# Allegro board RK3576_Template_LP5D315P132SD8_25x36_2400MHz_H1R0_V11_20240530YWQ.brd (continued)
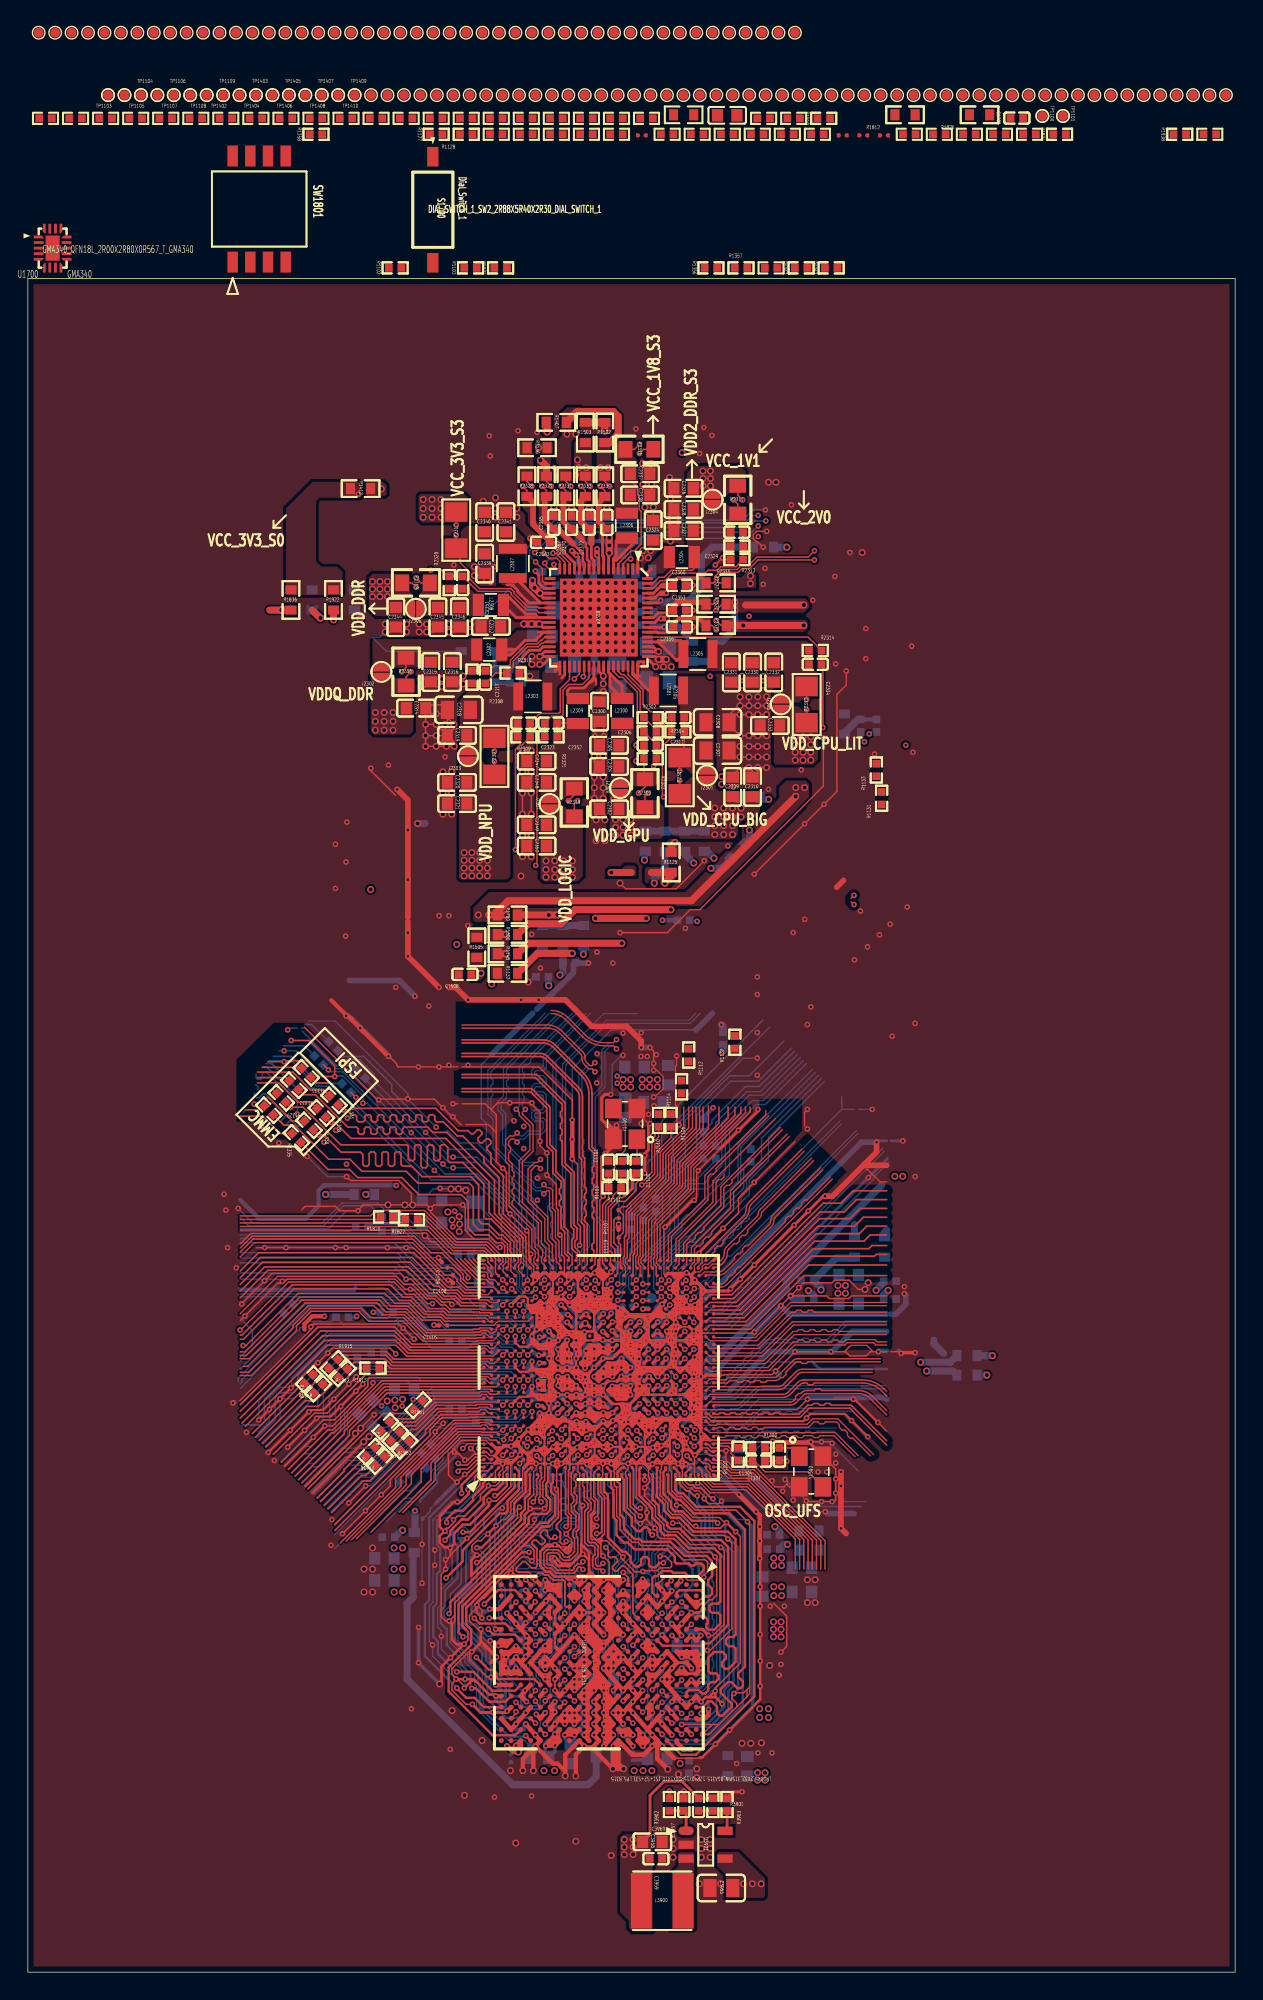
[diagram p0: board, top side]
## Routing (per net, layer and track width the routed paths; a pad name or vN(x,y) marks a point on that pad's centre or on a via; arc(x,y) is an arc through that point) (continued)
LPDDR5_DQ13_B: length 18.5
  TOP w0.165: v1(33.07,24.63) 33.45,24.26 35,24.26 U3900.W6 ; v1(30.05,28.32) 31.24,29.51 31.24,30.31 33.89,32.95 34.3,32.95 34.47,33.12 34.47,33.86 35.28,34.67 35.28,35.98 U1000.1C1
  L6-SIG w0.14: v1(30.05,28.32) 30.05,27.63 31.11,26.56 31.11,25.82 31.92,25.01 32.7,25.01 v1(33.07,24.63)
LPDDR5_DQ14_A: length 26.3
  TOP w0.137: U1000.1AA3 45.56,37.18 v1(45.56,37.18)
  TOP w0.165: U3900.E10 v1(44.87,20.28)
  L6-SIG w0.14: v1(44.87,20.28) 45.17,20.28 45.55,20.66 45.89,20.66 46.21,20.33 48.99,20.33 49.61,20.95 49.88,20.95 50.53,21.6 50.53,30.35 49.76,31.11 49.37,31.11 48.89,31.6 48.89,32.82 49.08,33.01 49.08,33.22 48.87,33.42 48.67,33.42 48.48,33.23 48.27,33.23 47.52,33.98 47.52,34.58 46.8,35.31 46.19,35.31 45.69,35.81 45.69,37.05 v1(45.56,37.18)
LPDDR5_DQ14_B: length 17.1
  TOP w0.165: v1(31.26,31.61) 31.76,31.61 34.97,34.82 U1000.E1 ; U3900.U6 v1(36.47,23.48)
  L6-SIG w0.14: v1(36.47,23.48) 36.17,23.79 35.71,23.79 33.91,25.59 33.91,26.23 31.68,28.45 31.68,30.42 31.18,30.92 31.18,31.53 v1(31.26,31.61)
LPDDR5_DQ15_A: length 26.8
  TOP w0.165: U3900.F11 v1(44.17,19.48) ; U1000.1AA1 45.82,36.09 45.66,35.93 45.66,34.35 46.22,33.79 46.22,33.39 46.49,33.11 47.03,33.11 47.72,32.42 49.39,32.42 v1(49.56,32.26)
  L6-SIG w0.14: v1(49.56,32.26) 49.68,32.26 51.05,30.88 51.05,21.22 49.64,19.81 45.97,19.81 45.95,19.78 45.24,19.78 45.21,19.81 44.7,19.81 44.38,19.48 v1(44.17,19.48)
LPDDR5_DQ15_B: length 14.7
  TOP w0.165: U3900.T5 v1(37.17,24.98) ; v1(33.55,34.24) 33.72,34.24 34.42,34.94 U1000.D1
  L6-SIG w0.14: v1(37.17,24.98) 36.83,25.33 36.83,28.68 36.56,28.96 35.91,28.96 35.36,29.51 35.36,32.61 34.8,33.17 34.8,34.4 34.65,34.54 33.7,34.54 33.55,34.4 v1(33.55,34.24)
LPDDR5_RDQS0N_A: length 16.9
  TOP w0.107: U1000.Y1 43.28,35.68 43.28,33.48 v1(44,32.76) ; U3900.C4 v1(46.97,25.78)
  L6-SIG w0.094: v1(46.97,25.78) 47.31,26.12 47.47,26.12 47.81,26.46 47.81,27.1 47.93,27.22 48.12,27.22 48.39,27.49 48.39,27.93 48.12,28.2 47.93,28.2 47.81,28.32 47.81,28.57 48.03,28.8 48.03,29.18 46.64,30.57 46.64,31.36 46.29,31.71 45.9,31.71 45.74,31.87 45.74,32.36 45.29,32.81 44.95,32.81 44.56,32.43 44.56,32.27 44.17,31.88 43.86,31.88 43.58,32.15 43.58,32.77 43.7,32.89 43.87,32.89 v1(44,32.76)
LPDDR5_RDQS0N_B: length 27.3
  TOP w0.107: U1000.1F1 36.82,35.95 36.9,35.87 36.9,35.44 36.8,35.34 36.8,34.17 36.7,34.06 36.7,33.96 v1(36.87,33.78) ; U3900.W12 v1(35.07,19.38)
  L6-SIG w0.094: v1(35.07,19.38) 35,19.31 34.83,19.31 34.67,19.47 34.67,19.81 34.9,20.04 35.1,20.04 35.33,20.27 35.33,20.47 35.56,20.7 35.76,20.7 35.99,20.93 35.99,21.13 36.53,21.66 36.53,21.94 36.94,22.35 37.22,22.35 38,23.14 38,26.12 38.14,26.25 38.14,26.58 38,26.72 38,27.05 38.14,27.18 38.14,27.51 38,27.65 38,29.05 37.21,29.84 37.21,31.39 38.64,32.82 38.64,35.02 38.39,35.27 37.69,35.27 37.34,34.92 37.34,34.31 37.59,34.06 37.59,33.21 37.34,32.95 36.87,32.95 36.72,33.11 36.72,33.63 v1(36.87,33.78)
LPDDR5_RDQS0P_A: length 16.8
  TOP w0.107: U1000.1U1 43.5,36.15 43.5,33.58 43.75,33.32 v1(44,33.32) ; U3900.B3 v1(46.97,26.58)
  L6-SIG w0.094: v1(46.97,26.58) 47.18,26.38 47.37,26.38 47.55,26.56 47.55,27.21 47.82,27.47 48.01,27.47 48.13,27.59 48.13,27.83 48.01,27.95 47.82,27.95 47.55,28.21 47.55,28.68 47.78,28.91 47.78,29.07 46.39,30.47 46.39,31.26 46.19,31.46 45.8,31.46 45.49,31.76 45.49,32.25 45.19,32.56 45.05,32.56 44.82,32.32 44.82,32.17 44.27,31.62 43.75,31.62 43.33,32.04 43.33,32.88 43.6,33.15 43.83,33.15 v1(44,33.32)
LPDDR5_RDQS0P_B: length 26.9
  TOP w0.107: v1(35.07,18.71) 35.07,18.58 U3900.Y13 ; U1000.H1 36.67,35.68 36.67,35.53 36.58,35.43 36.58,34.26 36.47,34.16 36.47,33.95 v1(36.31,33.78)
  L6-SIG w0.094: v1(35.07,18.71) 34.42,19.36 34.42,19.91 36.27,21.77 36.27,22.05 36.83,22.61 37.11,22.61 37.75,23.24 37.75,28.95 36.96,29.74 36.96,31.49 38.39,32.92 38.39,34.91 38.28,35.02 37.79,35.02 37.59,34.82 37.59,34.42 37.85,34.16 37.85,33.1 37.44,32.7 36.77,32.7 36.46,33 36.46,33.63 v1(36.31,33.78)
LPDDR5_RDQS1N_A: length 27.6
  TOP w0.107: v1(46.68,37.18) U1000.1AB3 ; v1(46.97,18.58) 46.62,18.93 U3900.C12
  L6-SIG w0.094: v1(46.97,18.58) 47.24,18.31 47.24,18.15 47.49,17.91 49.51,17.91 51.94,20.34 51.94,31.62 50.55,33.02 50.55,34.01 48.41,36.15 46.64,36.15 46.37,36.42 46.37,36.87 v1(46.68,37.18)
LPDDR5_RDQS1N_B: length 16.6
  TOP w0.102: U1000.B3 33.16,36.83 32.88,37.11 32.6,37.11 32.6,37.1
  TOP w0.107: v1(30.91,36.54) 31.02,36.43 31.58,36.43 32.14,37 32.49,37 32.6,37.1 ; U3900.W4 v1(35.07,25.78)
  L6-SIG w0.094: v1(35.07,25.78) 34.95,25.91 34.8,25.91 34.42,26.29 34.42,26.44 33.02,27.83 33.02,30.63 30.23,33.42 30.23,36.14 30.47,36.39 30.76,36.39 v1(30.91,36.54)
LPDDR5_RDQS1P_A: length 27.6
  TOP w0.107: v1(46.68,37.78) U1000.1AB4 ; U3900.B13 v1(47.67,18.58)
  L6-SIG w0.094: v1(46.68,37.78) 46.29,37.39 46.29,37.15 46.12,36.98 46.12,36.31 46.54,35.89 48.3,35.89 50.29,33.9 50.29,32.91 51.69,31.52 51.69,20.45 50.7,19.46 50.51,19.46 50.26,19.21 50.26,19.01 50.01,18.76 49.81,18.76 49.56,18.51 49.56,18.32 49.4,18.16 47.59,18.16 47.5,18.26 47.5,18.41 v1(47.67,18.58)
LPDDR5_RDQS1P_B: length 15.7
  TOP w0.107: U1000.A3 32.71,36.77 32.23,36.77 31.6,36.14 31.07,36.14 v1(30.91,35.98) ; U3900.Y3 v1(35.07,26.58)
  L6-SIG w0.094: v1(35.07,26.58) 35.18,26.47 35.18,26.31 35.06,26.19 34.88,26.19 34.67,26.4 34.67,26.54 33.27,27.94 33.27,30.73 31.33,32.68 31.33,32.87 31.1,33.1 30.91,33.1 30.48,33.53 30.48,36.04 30.58,36.13 30.76,36.13 v1(30.91,35.98)
LPDDR5_RESET: length 12.9
  TOP w0.107: v1(43.12,38.93) U1000.1U5
  TOP w0.114: v1(42.77,28.72) 43.12,28.37 U3900.H1
  BOTTOM w0.114: v1(43.12,38.93) 42.67,38.48 42.67,36.48 43.29,35.86 43.29,32.6 43.64,32.25 43.64,29.65 43.17,29.18 C3900.1 43.16,28.69 42.8,28.69 v1(42.77,28.72)
LPDDR5_WCK0N_A: length 16
  TOP w0.107: U3900.D5 v1(45.57,24.98) ; U1000.1V4 43.76,38.3 v1(43.76,38.3)
  BOTTOM w0.107: v1(45.57,24.98) 45.57,25.31 45,25.88 45,27.8 45.09,27.88 45.09,28.68 44.83,28.93 44.83,30.11 45.5,30.77 45.5,32.1 45.37,32.22 45.37,34.32 45.26,34.43 45.26,34.74 45.37,34.85 45.37,35.16 44.15,36.38 44.15,37.34 44.04,37.46 44.04,37.77 44.15,37.88 44.15,38.19 43.97,38.37 43.82,38.37 v1(43.76,38.3)
LPDDR5_WCK0N_B: length 28.8
  TOP w0.107: v1(37.68,38.29) U1000.1G4 ; U3900.V11 v1(36.47,20.23)
  BOTTOM w0.107: v1(37.68,38.29) 37.6,38.38 37.44,38.38 37.34,38.27 37.34,37.78 37.15,37.6 37.15,36.72 37.27,36.6 37.27,36.3 37.15,36.18 37.15,35.69 36.73,35.27 36.73,35.03 36.84,34.92 37.35,34.92 37.59,34.69 37.59,34.17 37.7,34.06 37.7,33.08 37.2,32.57 37.2,32.44 36.69,31.93 35.93,31.93 35.7,32.17 35.7,32.44 35.47,32.67 35.25,32.67 34.92,32.34 34.92,31.89 35.04,31.78 35.04,31.47 34.92,31.35 34.92,30.96 35.04,30.84 35.04,30.54 34.92,30.42 34.92,30.12 35.04,30 35.04,29.69 34.92,29.58 34.92,29.27 35.22,28.98 35.91,28.98 36.01,29.07 36.39,29.07 36.48,28.98 36.93,28.98 37.02,29.07 37.4,29.07 38.11,28.36 38.11,28.06 37.96,27.91 37.96,27.53 38.11,27.38 38.11,27.11 37.96,26.96 37.96,26.57 38.1,26.44 38.1,26.14 37.96,26 37.96,25.16 38.1,25.02 38.1,24.64 37.96,24.5 37.96,23.99 38.1,23.86 38.1,23.56 37.96,23.42 37.96,23.11 37.11,22.26 36.29,22.26 36.04,22 36.04,21.56 36.29,21.3 36.29,21.12 36.39,21.02 36.39,20.67 36.29,20.57 36.29,20.36 36.42,20.23 v1(36.47,20.23)
LPDDR5_WCK0P_A: length 15.4
  TOP w0.107: U3900.E4 v1(45.57,25.78) ; U1000.1V5 43.76,38.9 v1(43.76,38.9)
  BOTTOM w0.107: v1(45.57,25.78) 45.42,25.78 45.23,25.97 45.23,27.7 45.31,27.79 45.31,28.77 45.06,29.03 45.06,30.01 45.72,30.67 45.72,32.19 45.6,32.32 45.6,35.25 44.38,36.47 44.38,38.28 43.76,38.9 v1(43.76,38.9)
LPDDR5_WCK0P_B: length 28.9
  TOP w0.107: U3900.U12 36.47,19.44 v1(36.47,19.46) ; v1(37.68,38.89) U1000.1G5
  BOTTOM w0.107: v1(37.68,38.89) 37.39,38.6 37.35,38.6 37.11,38.36 37.11,37.88 36.93,37.69 36.93,35.78 36.51,35.37 36.51,34.94 36.75,34.7 37.26,34.7 37.37,34.59 37.37,34.08 37.48,33.97 37.48,33.17 36.97,32.66 36.97,32.53 36.6,32.16 36.03,32.16 35.92,32.26 35.92,32.53 35.56,32.89 35.16,32.89 34.7,32.44 34.7,29.18 35.13,28.75 37.41,28.75 37.74,28.42 37.74,23.2 37.02,22.48 36.2,22.48 35.81,22.09 35.81,21.46 36.07,21.21 36.07,20.07 36.47,19.66 v1(36.47,19.46)
LPDDR5_WCK1N_A: length 25.7
  TOP w0.107: v1(45.56,38.38) 45.57,38.38 U1000.1AA5 ; U3900.D11 v1(45.57,20.18)
  BOTTOM w0.107: v1(45.56,38.38) 45.68,38.5 45.84,38.5 45.93,38.41 45.93,36.55 46.03,36.45 46.03,33.12 46.96,32.19 46.96,31.33 47.33,30.97 47.33,30.83 47.6,30.56 47.73,30.56 48,30.29 48,30.16 48.27,29.89 48.41,29.89 49.27,29.03 49.27,28.52 49.15,28.4 49.15,28.09 49.27,27.98 49.27,27.67 49.15,27.56 49.15,27.25 49.27,27.13 49.27,26.83 49.17,26.73 49.17,26.35 49.27,26.26 49.27,25.88 49.17,25.78 49.17,25.4 49.27,25.3 49.27,24.92 49.17,24.83 49.17,24.45 49.27,24.35 49.27,23.83 49.17,23.73 49.17,23.35 49.27,23.26 49.27,22.88 49.17,22.78 49.17,22.4 49.27,22.3 49.27,21.92 49.17,21.83 49.17,21.45 49.27,21.35 49.27,20.99 48.35,20.07 47.97,20.07 47.88,20.16 47.5,20.16 47.4,20.07 47.02,20.07 46.93,20.16 46.55,20.16 46.45,20.07 46.07,20.07 45.79,19.79 45.62,19.79 45.49,19.91 45.49,20.1 v1(45.57,20.18)
LPDDR5_WCK1N_B: length 18.3
  TOP w0.107: U3900.V5 v1(36.47,24.28) ; U1000.1E4 v1(35.92,38.33)
  BOTTOM w0.107: v1(35.92,38.33) 35.54,37.96 35.54,37.55 35.88,37.21 35.88,34.86 34.67,33.66 34.67,33.42 33.98,32.73 33.98,31.91 33.83,31.76 33.83,27.72 34.07,27.48 34.07,26.87 33.83,26.64 33.83,25.44 34.83,24.44 35.31,24.44 35.38,24.51 36.24,24.51 v1(36.47,24.28)
LPDDR5_WCK1P_A: length 25.2
  TOP w0.107: v1(45.56,38.98) 45.57,38.98 U1000.1AA6 ; U3900.E12 v1(45.57,19.38)
  BOTTOM w0.107: v1(45.56,38.98) 45.81,38.73 45.92,38.73 46.15,38.5 46.15,36.64 46.25,36.54 46.25,33.21 47.19,32.28 47.19,31.43 49.49,29.12 49.49,20.89 48.44,19.84 46.16,19.84 45.7,19.38 v1(45.57,19.38)
LPDDR5_WCK1P_B: length 17.8
  TOP w0.107: v1(35.88,37.78) 35.87,37.78 U1000.1D4 ; U3900.U4 v1(36.47,25.08)
  BOTTOM w0.107: v1(35.88,37.78) 35.88,37.53 36.1,37.31 36.1,36.46 36.22,36.35 36.22,36.04 36.1,35.93 36.1,34.77 35.88,34.55 35.88,34.39 35.67,34.17 35.5,34.17 34.89,33.56 34.89,33.33 34.2,32.63 34.2,31.82 34.05,31.67 34.05,27.81 34.29,27.57 34.29,26.78 34.05,26.54 34.05,25.54 34.24,25.35 34.4,25.35 34.67,25.08 34.67,24.92 34.92,24.67 35.22,24.67 35.28,24.74 36.49,24.74 36.58,24.83 36.58,24.98 v1(36.47,25.08)
MIPI_CSI1/2_AVDD0V75: length 47
  TOP w0.229: U1000.2L11 v1(43.95,46.68)
  TOP w0.508: v2(46.2,76.33) 39.3,76.33 38.29,75.31 35.95,75.31 R1500.1
  L4-SIG w0.178: v1(43.95,46.68) 44.15,46.68 45.15,47.68 45.15,49.89 45.7,50.44
  L4-SIG w0.508: 45.7,50.44 45.7,51.29 49.04,54.63 49.04,56.6 49.84,57.41 v1(49.84,66.07) 49.84,67.24 46.2,70.88 v2(46.2,76.33)
  BOTTOM w0.305: C1500.1 44.22,46.96 v1(43.95,46.68)
  BOTTOM w0.508: C1501.1 49.95,66.17 v1(49.84,66.07)
MIPI_CSI1/2_AVDD1V8: length 37.5
  TOP w0.229: v1(44.18,47.63) U1000.1W20
  L4-SIG w0.178: v1(44.18,47.63) 44.58,48.03 44.58,49.78 44.45,49.92 44.45,50.63
  L4-SIG w0.457: 44.45,52.32 44.45,52.93 46.91,55.4 46.91,57.52 48.61,59.21 48.61,66.75 45.01,70.35 v2(45.01,78.23)
  L4-SIG w0.508: 44.45,52.32 44.45,50.63
  BOTTOM w0.305: C1502.1 44.56,47.7 44.25,47.7 v1(44.18,47.63)
  BOTTOM w0.508: v2(45.01,78.23) 45.01,78.54 45.77,79.3 R1501.1
MIPI_CSI3/4_AVDD0V75: length 29.1
  TOP w0.229: v1(38.75,46.68) U1000.2D11
  L4-SIG w0.203: v1(38.75,46.68) 38.53,46.68 37.72,47.5 36.83,47.5 35.31,49.02 35.31,49.9
  L4-SIG w0.508: v2(32.56,71.75) 32.56,54.21 34.67,52.09 34.67,50.93 35.31,50.29 35.31,49.9
  BOTTOM w0.305: v1(38.75,46.68) 38.73,46.66 C1507.1
MIPI_CSI3/4_AVDD1V8: length 27.5
  TOP w0.229: v1(38.78,47.23) 38.79,47.23 38.85,47.23 U1000.2D12
  L4-SIG w0.203: v1(38.78,47.23) 38.78,47.23 38.49,47.23 37.55,48.17 37.55,50.04 37.34,50.25
  L4-SIG w0.508: v2(33.32,70.99) 33.32,54.44 35.28,52.47 35.28,51.46 35.81,50.93 36.66,50.93 37.34,50.25
  BOTTOM w0.305: C1510.1 38.72,47.29 38.78,47.23 v1(38.78,47.23)
MIPI_DCPHY_AVDD: length 104.7
  TOP w0.229: v1(44.59,44.08) 44.27,43.76 U1000.2M7
  TOP w0.508: v2(41.45,110.71) R1502.1 R1503.1
  L4-SIG w0.089: 47.53,44.25 47.58,44.2 47.58,43.94 ; 47.53,44.25 47.37,44.41 47.06,44.41 ; 47.53,44.25 47.53,43.99 ; 47.53,43.99 47.53,43.95 47.52,43.94 47.58,43.94 ; 47.53,43.99 47.58,43.94 ; 45.99,44.41 46.17,44.22 ; 45.99,44.41 45.71,44.41 ; 45.99,44.41 46.36,44.41 ; 46.17,44.22 46.36,44.41 ; 46.17,44.22 46.17,43.89 ; 46.87,44.22 46.87,43.95 ; 46.87,44.22 47.06,44.41 ; 46.87,44.22 46.86,44.23 ; 46.87,43.95 46.61,43.69 ; 46.87,43.95 46.87,43.93 ; 45.97,43.69 46.17,43.89 ; 46.17,43.89 46.37,43.69 ; 45.38,44.41 45.55,44.24 45.71,44.41 ; 45.38,44.41 45.71,44.41 ; 45.38,44.41 45.11,44.41 ; 44.78,44.08 44.78,44.08 45.11,44.41 ; 46.36,44.41 46.68,44.41 ; 44.92,44.41 45.11,44.41 ; 44.92,44.41 v1(44.59,44.08) 44.59,44.32 44.68,44.41 44.92,44.41 ; 47.06,44.41 46.86,44.41 ; 46.86,44.23 46.68,44.41 ; 46.86,44.23 46.86,44.41 ; 46.87,43.93 47.12,43.69 ; 46.87,43.93 46.87,43.7 46.86,43.69 ; 47.58,43.94 47.58,43.81 47.66,43.74 ; 46.68,44.41 46.86,44.41
  L4-SIG w0.102: 44.83,43.69 44.7,43.69 44.59,43.79 v1(44.59,44.08) ; 44.83,43.69 45.17,43.69 ; 44.83,43.69 44.83,43.85 v1(44.59,44.08) ; 45.34,43.69 45.49,43.84 45.64,43.69 ; 45.34,43.69 45.17,43.69 ; 45.34,43.69 45.64,43.69 ; 47.45,43.69 47.27,43.69 ; 47.45,43.69 47.58,43.81 ; 47.45,43.69 47.95,43.69 ; 47.27,43.69 47.52,43.94 ; 47.27,43.69 45.64,43.69 ; 48.77,44.39 48.07,43.69 47.95,43.69 ; v1(44.59,44.08) 44.78,44.08 45.17,43.69 ; 47.95,43.69 48,43.74
  L4-SIG w0.152: 48.3,44.03 48.65,44.39 48.77,44.39 ; 48.3,44.03 48.06,43.8 ; 48.3,44.03 48.3,44.36 48.39,44.45 ; 48.04,43.78 47.74,43.78 47.72,43.8 ; 48.04,43.78 48,43.74 47.66,43.74 ; 48.04,43.78 48.06,43.8 ; 48.06,43.8 47.72,43.8 ; 47.72,43.8 47.58,43.94
  L4-SIG w0.305: v2(41.45,110.71) 43.04,110.71 43.43,110.32 44.15,110.32 44.67,110.84 47.19,110.84 47.66,110.37 47.66,110.2
  L4-SIG w0.508: 47.66,110.2 47.66,100.67 48.62,99.72 48.62,95.73 47.88,95 47.88,81.15 48.39,80.64 49.55,80.64 53.64,76.54 53.64,73.88 54.84,72.68 54.84,54.66 56.07,53.42 v2(56.07,48.96) 51.5,44.39 48.77,44.39
  BOTTOM w0.305: C1504.1 44.3,44.38 v1(44.59,44.08)
  BOTTOM w0.508: v2(56.07,48.96) 56.46,48.58 C1505.1
MIPI_DCPHY_AVDD1V2: length 44.9
  TOP w0.229: U1000.2M8 44.27,44.41 v1(44.59,44.73)
  L4-SIG w0.178: v1(44.59,44.73) 45.32,45.46 48.82,45.46 49.33,45.97
  L4-SIG w0.508: v2(49.07,79.3) 52.43,75.95 52.43,73.37 53.62,72.17 53.62,50.26 49.33,45.97
  BOTTOM w0.305: v1(44.59,44.73) 44.38,44.95 C1506.1
  BOTTOM w0.508: v2(49.07,79.3) 49.84,79.3 R1504.1
MIPI_DCPHY_AVDD1V8: length 45
  TOP w0.229: U1000.2P8 v1(45.9,44.73)
  L4-SIG w0.178: v1(45.9,44.73) 46.26,45.1 49.32,45.1
  L4-SIG w0.508: 49.32,45.1 49.69,45.47 50.8,45.47 54.23,48.9 54.23,72.43 53.04,73.62 53.04,76.29 v2(49.29,80.03)
  BOTTOM w0.305: v1(45.9,44.73) 46.21,44.42 C1509.1
  BOTTOM w0.508: v2(49.29,80.03) 48.8,80.52 R1506.1
MIPI_DCPHY_VREG: length 1
  TOP w0.229: v1(45.24,44.08) 44.92,43.76 U1000.2N7
  BOTTOM w0.305: C1503.1 45.01,43.85 v1(45.24,44.08)
MIPI_DPHY_CSI0_CAM_CLKOUT: length 13.3
  BOTTOM w0.102: 22.05,32.09 29.15,39.19 29.53,39.19 29.65,39.07 29.99,39.07 30.29,39.37 32.06,39.37 R1951.2
MIPI_DPHY_CSI0_PDN_H: length 17.1
  TOP w0.102: v1(35.02,40.27) U1000.1C7
  BOTTOM w0.102: 21.51,33.32 23.75,35.56 24.65,35.56 29.1,40 31.56,40 31.77,40.21 33.58,40.21 33.87,39.92 34.67,39.92 v1(35.02,40.27)
MIPI_DPHY_CSI0_PWREN_H: length 17.5
  TOP w0.102: U1000.1D7 v1(35.62,40.27)
  BOTTOM w0.102: v1(35.62,40.27) 35.07,39.72 33.69,39.72 33.48,39.93 31.77,39.93 31.62,39.77 29.15,39.77 24.66,35.28 23.97,35.28 21.76,33.07
MIPI_DPHY_CSI0_RX_CLKN/MIPI_CPHY_CSI_RX_TRIO1_B: length 14.8
  TOP w0.114: U1000.AL22 51.31,47.28 56.53,52.51 60.07,52.51 60.52,52.96 61.7,52.96
MIPI_DPHY_CSI0_RX_CLKP/MIPI_CPHY_CSI_RX_TRIO1_C: length 15.6
  TOP w0.102: U1000.AK22 49,47.56 49.4,47.56
  TOP w0.114: 49.4,47.56 51.16,47.56 56.65,53.05 59.73,53.05 60.27,53.59 61.7,53.59
MIPI_DPHY_CSI0_RX_D0N/MIPI_CPHY_CSI_RX_TRIO0_A: length 14
  TOP w0.114: U1000.AL20 51.9,46.18 55.75,50.04 61.7,50.04
MIPI_DPHY_CSI0_RX_D0P/MIPI_CPHY_CSI_RX_TRIO0_B: length 14.9
  TOP w0.102: 49.53,46.46 49,46.46 U1000.AK20
  TOP w0.114: 61.7,50.8 56.09,50.8 51.75,46.46 49.53,46.46
MIPI_DPHY_CSI0_RX_D1N/MIPI_CPHY_CSI_RX_TRIO0_C: length 14.4
  TOP w0.114: 61.7,51.56 60.94,51.56 60.81,51.43 56.3,51.43 51.6,46.73 U1000.AL21
MIPI_DPHY_CSI0_RX_D1P/MIPI_CPHY_CSI_RX_TRIO1_A: length 15.2
  TOP w0.102: U1000.AK21 49,47.01 49.53,47.01
  TOP w0.114: 49.53,47.01 51.45,47.01 56.42,51.97 60.41,51.97 60.64,52.2 61.7,52.2
MIPI_DPHY_CSI0_RX_D2N/MIPI_CPHY_CSI_RX_TRIO2_A: length 15.1
  TOP w0.114: 61.7,54.23 60.03,54.23 59.39,53.59 56.76,53.59 51.01,47.83 U1000.AL23
MIPI_DPHY_CSI0_RX_D2P/MIPI_CPHY_CSI_RX_TRIO2_B: length 15.9
  TOP w0.102: U1000.AK23 49,48.11 49.53,48.11
  TOP w0.114: 49.53,48.11 50.86,48.11 56.88,54.13 59.05,54.13 59.78,54.86 61.7,54.86
MIPI_DPHY_CSI0_RX_D3N/MIPI_CPHY_CSI_RX_TRIO2_C: length 15.4
  TOP w0.114: 61.7,55.5 59.54,55.5 58.65,54.61 56.94,54.61 50.71,48.38 U1000.AL24
MIPI_DPHY_CSI0_RX_D3P/NO_USE: length 16.2
  TOP w0.102: U1000.AK24 49,48.66 49.53,48.66 49.53,48.66
  TOP w0.114: 61.7,56.13 59.29,56.13 58.4,55.24 57.15,55.24 50.56,48.66 49.53,48.66
MIPI_DPHY_CSI1_CAM_CLKOUT: length 17.9
  BOTTOM w0.102: R1952.2 28.24,42.49 28.02,42.72 24.57,42.72 24.43,42.58 24.43,42.09 22.76,40.42 22.76,38.63 20.67,36.55 20.15,36.55 19.22,35.61
MIPI_DPHY_CSI1_PDN_H: length 20.5
  TOP w0.102: U1000.1C12 v1(34.72,42.53)
  BOTTOM w0.102: v1(34.72,42.53) 34.33,42.93 24.27,42.93 22.1,40.76 22.1,38.95 20.4,37.25 19.85,37.25 18.72,36.11
MIPI_DPHY_CSI1_RX_CLKN: length 17.6
  TOP w0.089: v1(47.28,49.69) U1000.1AC23
  BOTTOM w0.089: v1(47.28,49.69) 47.28,49.83 46.96,50.15 46.96,50.33 47.56,50.93 48.46,50.93 48.65,51.13 48.84,51.13 49.04,51.33 49.04,51.52 49.68,52.16 49.87,52.16 50.07,52.36 50.07,52.55 50.27,52.75 50.46,52.75 50.66,52.95 50.66,53.14 50.86,53.33 51.05,53.33 51.24,53.53 51.24,53.72 51.44,53.92 51.63,53.92 51.83,54.12 51.83,54.31 58.46,60.94
MIPI_DPHY_CSI1_RX_CLKP: length 18
  TOP w0.089: v1(47.32,49.13) U1000.1AC22
  BOTTOM w0.089: v1(47.32,49.13) 46.93,49.53 46.93,49.86 46.74,50.06 46.74,50.43 47.47,51.16 48.36,51.16 58.37,61.16
MIPI_DPHY_CSI1_RX_D0N: length 14.1
  TOP w0.089: U1000.AE28 46.24,50.85 46.24,52.84 48.86,55.47 48.86,57.14 49.06,57.34 49.25,57.34 49.45,57.54 49.45,57.73 53.24,61.52
MIPI_DPHY_CSI1_RX_D0P: length 13.7
  TOP w0.089: U1000.AE29 46.02,51.18 46.02,52.94 48.64,55.56 48.64,57.23 53.02,61.61 53.02,61.89
MIPI_DPHY_CSI1_RX_D1N: length 8.6
  TOP w0.089: v1(59.36,76.69) 59.14,76.91 ; U1000.AF28 46.79,50.85 46.79,52.57 49.44,55.22 49.44,56.74 49.64,56.94 49.83,56.94 50.03,57.13 50.03,57.32
MIPI_DPHY_CSI1_RX_D1P: length 13.5
  TOP w0.089: U1000.AF29 46.57,51.18 46.57,52.66 49.22,55.32 49.22,56.83 53.71,61.32 ; v1(59.36,77.35) 59.14,77.14
MIPI_DPHY_CSI1_RX_D2N/MIPI_DPHY_CSI2_RX_D0N: length 13.2
  TOP w0.089: 54.22,60.54 50.59,56.91 50.59,56.72 50.4,56.52 50.21,56.52 50.01,56.32 50.01,54.96 48.58,53.53 48.58,53.34 48.37,53.13 48.18,53.13 47.96,52.91 47.96,52.72 47.74,52.51 47.55,52.51 47.34,52.29 47.34,50.85 U1000.AG28
MIPI_DPHY_CSI1_RX_D2P/MIPI_DPHY_CSI2_RX_D0P: length 12.5
  TOP w0.089: U1000.AG29 47.12,51.18 47.12,52.38 49.78,55.05 49.78,56.41 54.06,60.69
MIPI_DPHY_CSI1_RX_D3N/MIPI_DPHY_CSI2_RX_D1N: length 12.6
  TOP w0.089: U1000.AH28 47.62,50.75 47.89,51.02 47.89,51.95 48.1,52.17 48.29,52.17 48.51,52.38 48.51,52.57 48.73,52.79 48.92,52.79 49.13,53.01 49.13,53.2 50.7,54.77 50.7,56.04 54.71,60.05
MIPI_DPHY_CSI1_RX_D3P/MIPI_DPHY_CSI2_RX_D1P: length 11.9
  TOP w0.089: U1000.AH29 47.67,51.18 47.67,52.05 50.48,54.86 50.48,56.13 54.55,60.2
MIPI_DPHY_CSI2_RX_CLKN: length 17.2
  TOP w0.089: U1000.1AD22 47.88,49.1 v1(47.88,49.1)
  BOTTOM w0.089: v1(47.88,49.1) 48.17,49.1 48.37,49.3 48.37,49.49 48.57,49.69 48.76,49.69 48.96,49.88 48.96,50.08 49.15,50.27 49.34,50.27 49.54,50.47 49.54,50.66 49.74,50.86 49.93,50.86 50.13,51.06 50.13,51.25 50.32,51.44 50.51,51.44 59.54,60.47
MIPI_DPHY_CSI2_RX_CLKP: length 17
  TOP w0.089: v1(47.88,48.49) U1000.1AD21
  BOTTOM w0.089: 59.63,60.25 v1(47.88,48.49)
MIPI_DPHY_CSI3_CAM_CLKOUT: length 11.9
  BOTTOM w0.102: R1953.2 29.24,40.44 24.62,35.81 23.49,35.81 21.25,33.57
MIPI_DPHY_CSI3_PDN_H: length 18.9
  TOP w0.102: U1000.1D10 v1(35.62,42.07)
  BOTTOM w0.102: 20.32,34.51 22.82,37.01 24.63,37.01 29.14,41.52 35.07,41.52 v1(35.62,42.07)
MIPI_DPHY_CSI3_RX_CLKN: length 24.3
  TOP w0.089: U1000.1H23 v1(38.28,49.69)
  BOTTOM w0.089: 43.81,68.86 41.38,68.86 37.94,65.43 37.94,55.28 37.56,54.9 37.56,54.39 37.7,54.26 37.7,53.98 37.56,53.84 37.56,53.56 37.7,53.43 37.7,53.15 37.56,53.01 37.56,52.74 38.18,52.12 38.18,51.6 38.31,51.46 38.31,51.16 38.18,51.02 38.18,50.71 38.31,50.57 38.31,50.27 38.18,50.13 38.18,49.79 v1(38.28,49.69)
MIPI_DPHY_CSI3_RX_CLKP: length 17.3
  TOP w0.089: U1000.1H22 v1(38.28,49.09)
  BOTTOM w0.089: v1(38.28,49.09) 38.28,49.18 37.95,49.5 37.95,52.03 37.34,52.64 37.34,54.99 37.72,55.37 37.72,65.52
MIPI_DPHY_CSI3_RX_D0N: length 26.7
  TOP w0.089: U1000.H29 36.68,51.19 36.68,51.85 36.44,52.08 36.44,53.45 34.8,55.1 34.8,55.38 34.93,55.51 34.93,55.79 34.8,55.93 34.8,56.2 34.93,56.34 34.93,56.62 34.8,56.75 34.8,57.03 34.93,57.17 34.93,57.45 34.8,57.58 34.8,58.06 34.54,58.31 34.54,58.84 34.68,58.98 34.68,59.26 34.54,59.39 34.54,59.67 34.72,59.85 34.94,59.85 v1(35.16,59.63)
  BOTTOM w0.089: 40.42,68.88 37.25,65.71 37.25,64.98 37.03,64.76 36.51,64.76 36.42,64.67 36.42,64.49 36.51,64.41 37.03,64.41 37.25,64.19 37.25,63.82 37.03,63.6 36.51,63.6 36.42,63.51 36.42,63.34 36.51,63.25 37.03,63.25 37.25,63.03 37.25,61.94 37.03,61.72 36.51,61.72 36.42,61.63 36.42,61.45 36.51,61.36 37.03,61.36 37.25,61.14 37.25,60.54 36.9,60.2 36,60.2 35.65,59.85 35.37,59.85 v1(35.16,59.63)
MIPI_DPHY_CSI3_RX_D0P: length 26.9
  TOP w0.089: v1(35.16,60.29) 34.94,60.07 34.63,60.07 34.32,59.76 34.32,58.22 34.57,57.97 34.57,55 36.22,53.36 36.22,51.99 36.45,51.75 36.45,51.38 36.35,51.27 36.35,50.97 36.62,50.71 U1000.H28
  BOTTOM w0.089: v1(35.16,60.29) 35.37,60.07 35.56,60.07 35.91,60.42 36.81,60.42 37.03,60.64 37.03,61.05 36.94,61.14 36.41,61.14 36.2,61.36 36.2,61.72 36.41,61.94 36.94,61.94 37.03,62.03 37.03,62.94 36.94,63.02 36.41,63.02 36.2,63.24 36.2,63.61 36.41,63.83 36.94,63.83 37.03,63.92 37.03,64.09 36.94,64.18 36.41,64.18 36.2,64.4 36.2,64.77 36.41,64.99 36.94,64.99 37.03,65.07 37.03,65.81 40.1,68.88
MIPI_DPHY_CSI3_RX_D1N: length 21.4
  TOP w0.089: U1000.J29 37.13,51.18 37.13,51.29 37.21,51.37 37.21,52.01 36.9,52.32 36.9,53.9 35.53,55.28 35.53,58.2 36.29,58.96 36.29,60.88 35.53,61.64 35.53,61.77 v1(35.75,61.98)
  BOTTOM w0.089: v1(35.75,61.98) 35.53,62.2 35.53,62.49 35.66,62.62 35.66,62.9 35.53,63.04 35.53,63.31 35.66,63.45 35.66,63.73 35.53,63.86 35.53,64.14 35.66,64.28 35.66,64.56 35.53,64.69 35.53,64.97 35.73,65.17 35.92,65.17 36.12,65.37 36.12,65.56 39.44,68.88
MIPI_DPHY_CSI3_RX_D1P: length 21.5
  TOP w0.089: v1(35.09,61.98) 35.31,61.77 35.31,61.55 36.07,60.79 36.07,59.05 35.31,58.29 35.31,55.18 36.68,53.81 36.68,52.22 36.99,51.91 36.99,51.47 36.9,51.38 36.9,50.98 37.17,50.71 U1000.J28
  BOTTOM w0.089: 39.12,68.88 35.31,65.07 35.31,62.2 v1(35.09,61.98)
MIPI_DPHY_CSI3_RX_D2N/MIPI_DPHY_CSI4_RX_D0N: length 22.8
  TOP w0.089: U1000.K29 37.68,51.18 37.68,52.3 37.36,52.61 37.36,54.23 36.16,55.44 36.16,57.6 36.49,57.94 36.62,57.94 v1(36.83,57.72)
  BOTTOM w0.089: v1(36.83,57.72) 36.61,57.94 35.62,57.94 34.11,59.45 34.11,61.59 33.78,61.91 33.78,62.55 34.16,62.93 34.16,64.9 38.14,68.88
MIPI_DPHY_CSI3_RX_D2P/MIPI_DPHY_CSI4_RX_D0P: length 23.7
  TOP w0.089: v1(36.83,58.38) 36.61,58.17 36.41,58.17 35.93,57.69 35.93,55.35 37.14,54.14 37.14,52.52 37.45,52.21 37.45,50.94 37.72,50.67 U1000.K28
  BOTTOM w0.089: 38.46,68.88 34.39,64.81 34.39,64.53 34.52,64.4 34.52,64.12 34.39,63.98 34.39,63.7 34.52,63.57 34.52,63.29 34.39,63.16 34.39,62.83 34.01,62.45 34.01,62.01 34.33,61.68 34.33,59.55 35.71,58.17 36.61,58.17 v1(36.83,58.38)
MIPI_DPHY_CSI3_RX_D3N/MIPI_DPHY_CSI4_RX_D1N: length 22.6
  TOP w0.089: v1(37.07,56.58) 37.29,56.36 37.51,56.36 37.7,56.16 37.7,54.88 37.9,54.68 37.9,53.88 37.9,53.88 37.9,52.78 38.16,52.52 38.16,51.39 38.21,51.34 38.21,51.19 U1000.L29
  BOTTOM w0.089: v1(37.07,56.58) 36.85,56.36 36.54,56.36 36.34,56.56 36.34,56.75 36.15,56.94 35.96,56.94 33.64,59.26 33.64,61.36 33.27,61.72 33.27,62.84 33.41,62.98 33.41,63.26 33.27,63.39 33.27,63.67 33.41,63.81 33.41,64.09 33.27,64.22 33.27,64.68 37.48,68.88
MIPI_DPHY_CSI3_RX_D3P/MIPI_DPHY_CSI4_RX_D1P: length 22.9
  TOP w0.089: U1000.L28 38.27,50.75 37.99,51.04 37.99,51.25 37.94,51.29 37.94,52.42 37.68,52.68 37.68,53.93 37.68,53.93 37.68,54.59 37.48,54.79 37.48,56.07 37.42,56.13 37.29,56.13 v1(37.07,55.92)
  BOTTOM w0.089: v1(37.07,55.92) 36.85,56.13 36.45,56.13 33.42,59.17 33.42,61.26 33.05,61.63 33.05,64.77 37.16,68.88
MIPI_DPHY_CSI4_RX_CLKN: length 28.5
  TOP w0.089: U1000.1K23 v1(38.92,49.13)
  BOTTOM w0.089: v1(38.92,49.13) 39.17,49.39 39.17,49.98 38.89,50.26 38.89,50.54 38.76,50.68 38.76,50.95 38.89,51.09 38.89,51.37 38.76,51.5 38.76,51.78 38.89,51.92 38.89,52.87 38.41,53.35 38.41,53.56 38.28,53.7 38.28,53.97 38.41,54.11 38.41,54.39 38.28,54.52 38.28,54.8 38.41,54.94 38.41,65.23 41.57,68.39 47.5,68.39 47.99,68.88